# Altium PCB Distribution_amp_10Mhz.PcbDoc (part 1 of 2)
Units mm, origin at the board's own origin, x right, y up, seen from the top; angles counter-clockwise.
Board outline 100 x 82.75 mm, 2 copper layers (Top Layer, Bottom Layer), stack 1.671 mm thick; 125 components, 75 nets, 431 pads, 707 vias.
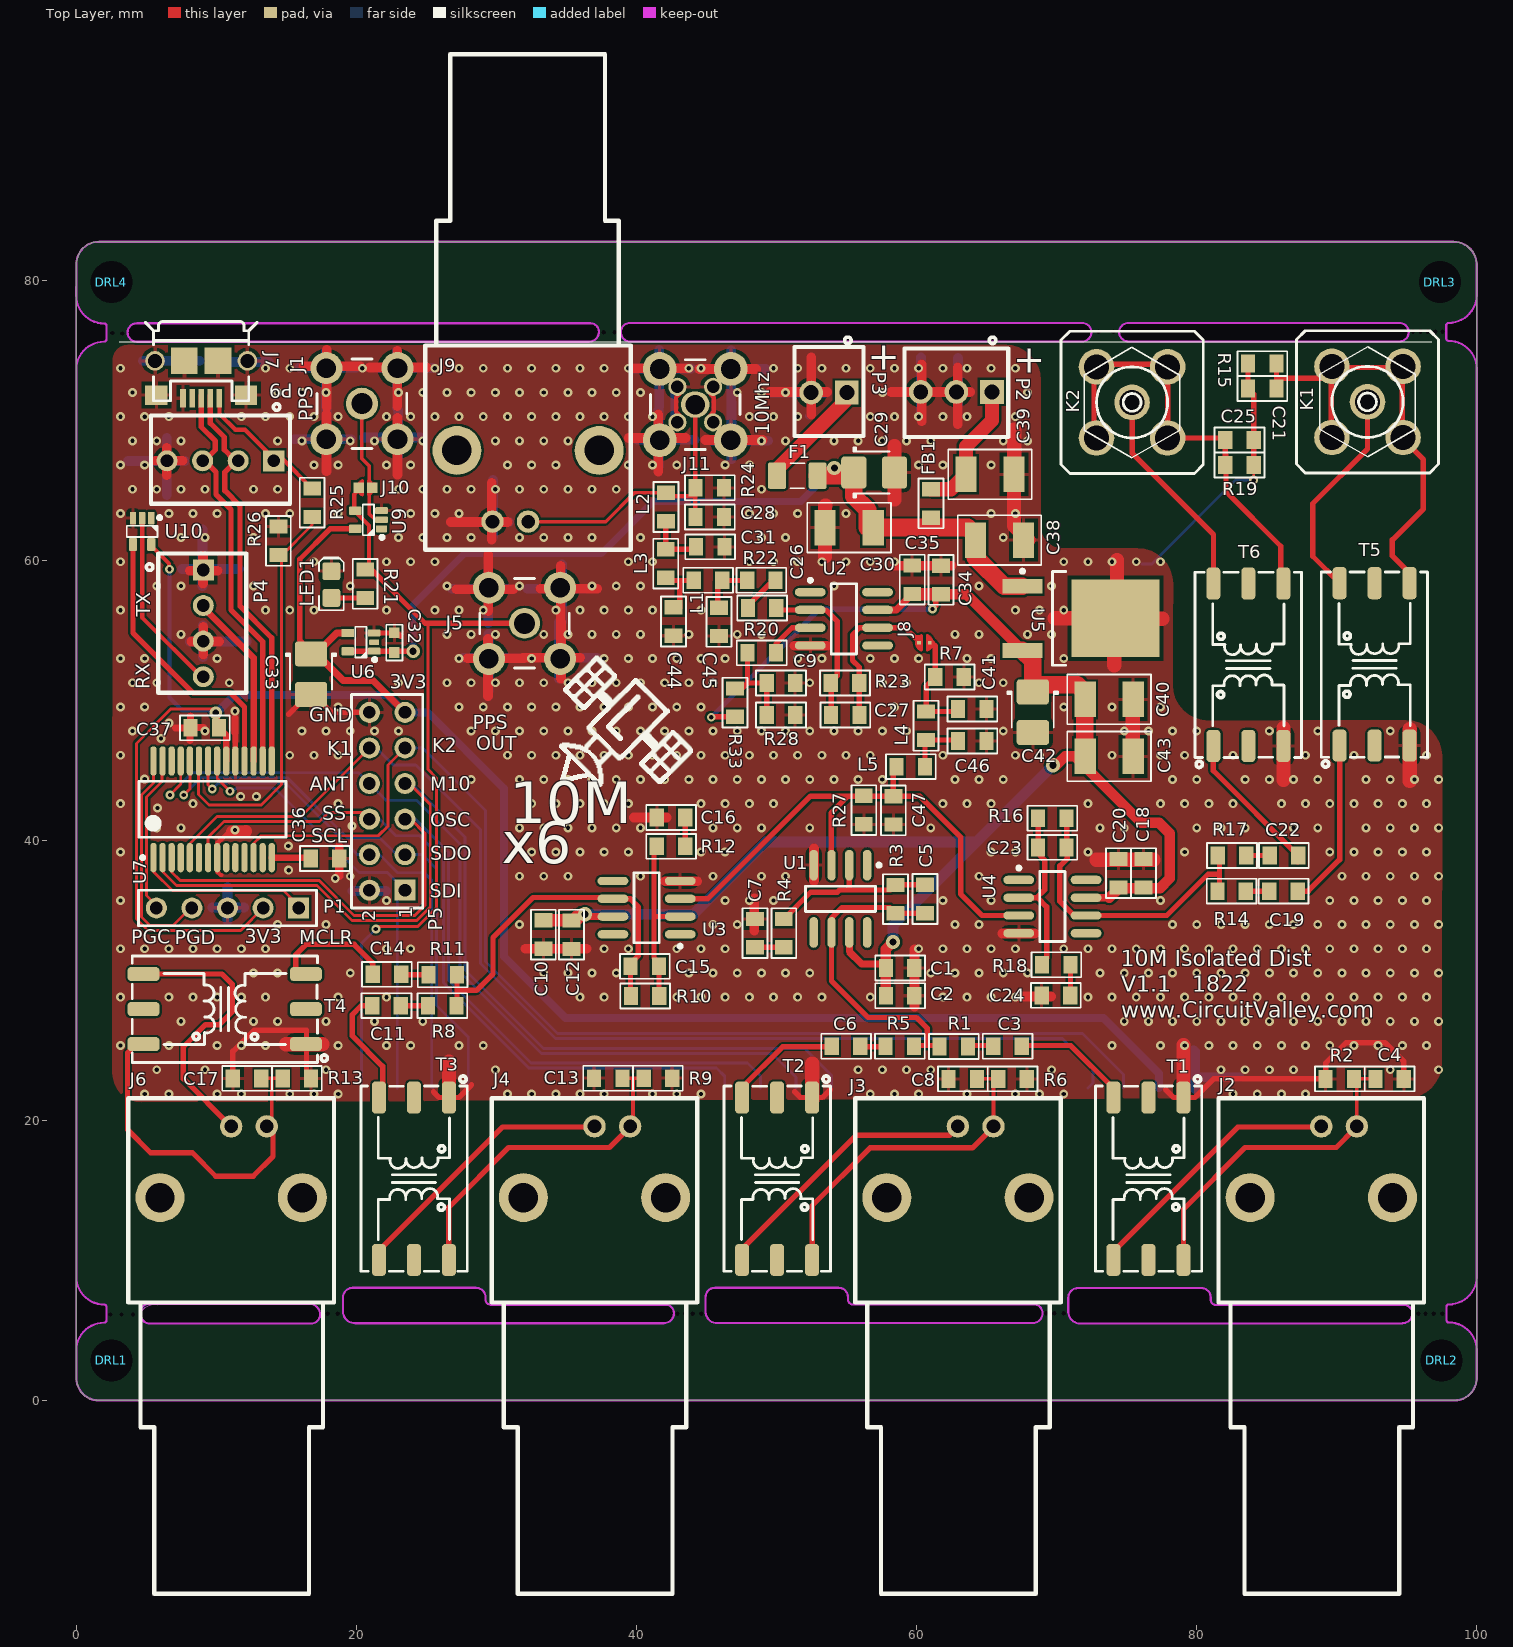
[diagram p0: Top Layer view]
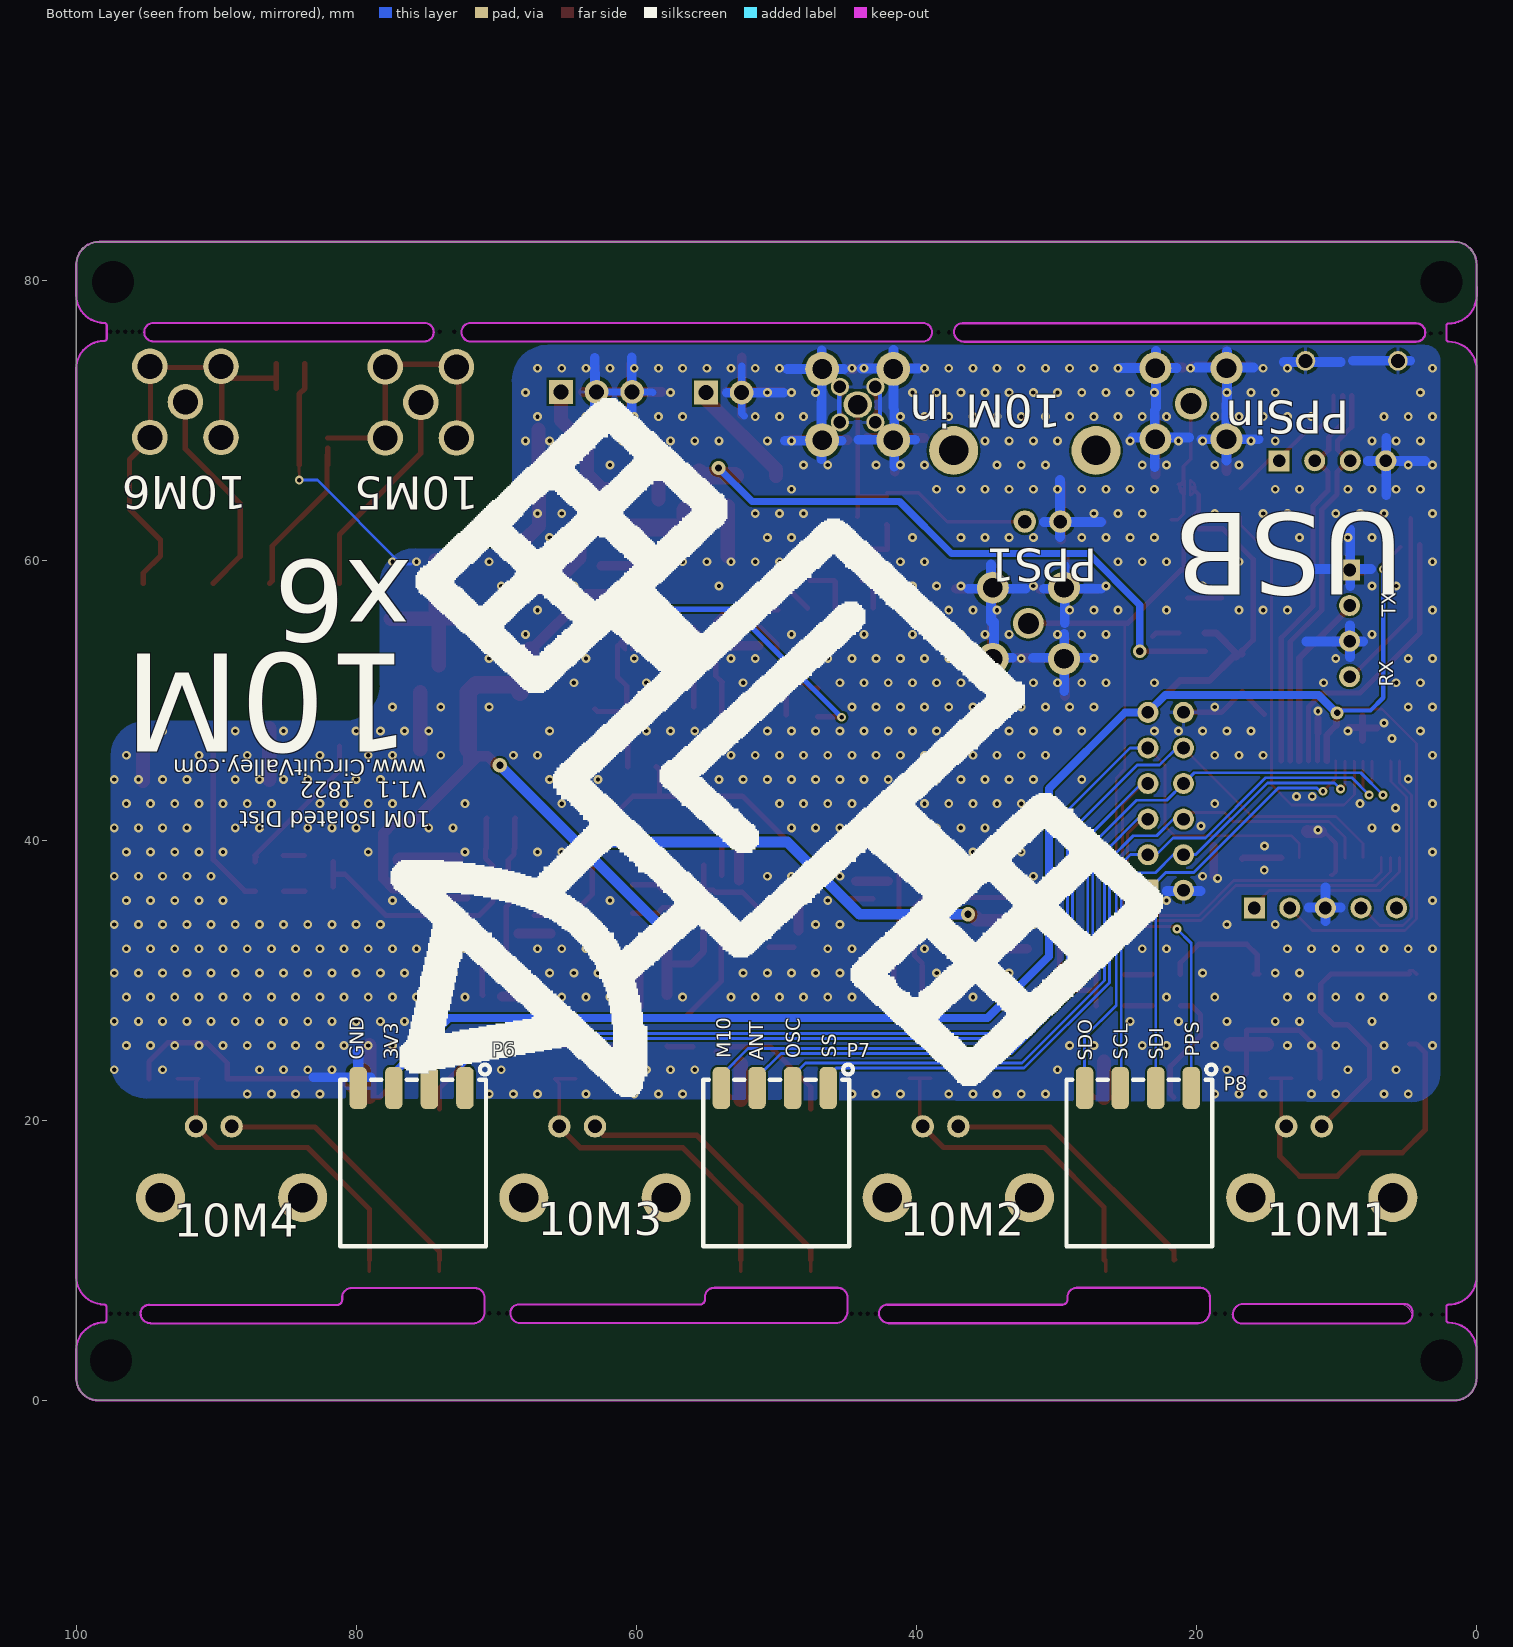
[diagram p1: Bottom Layer view, seen from below]
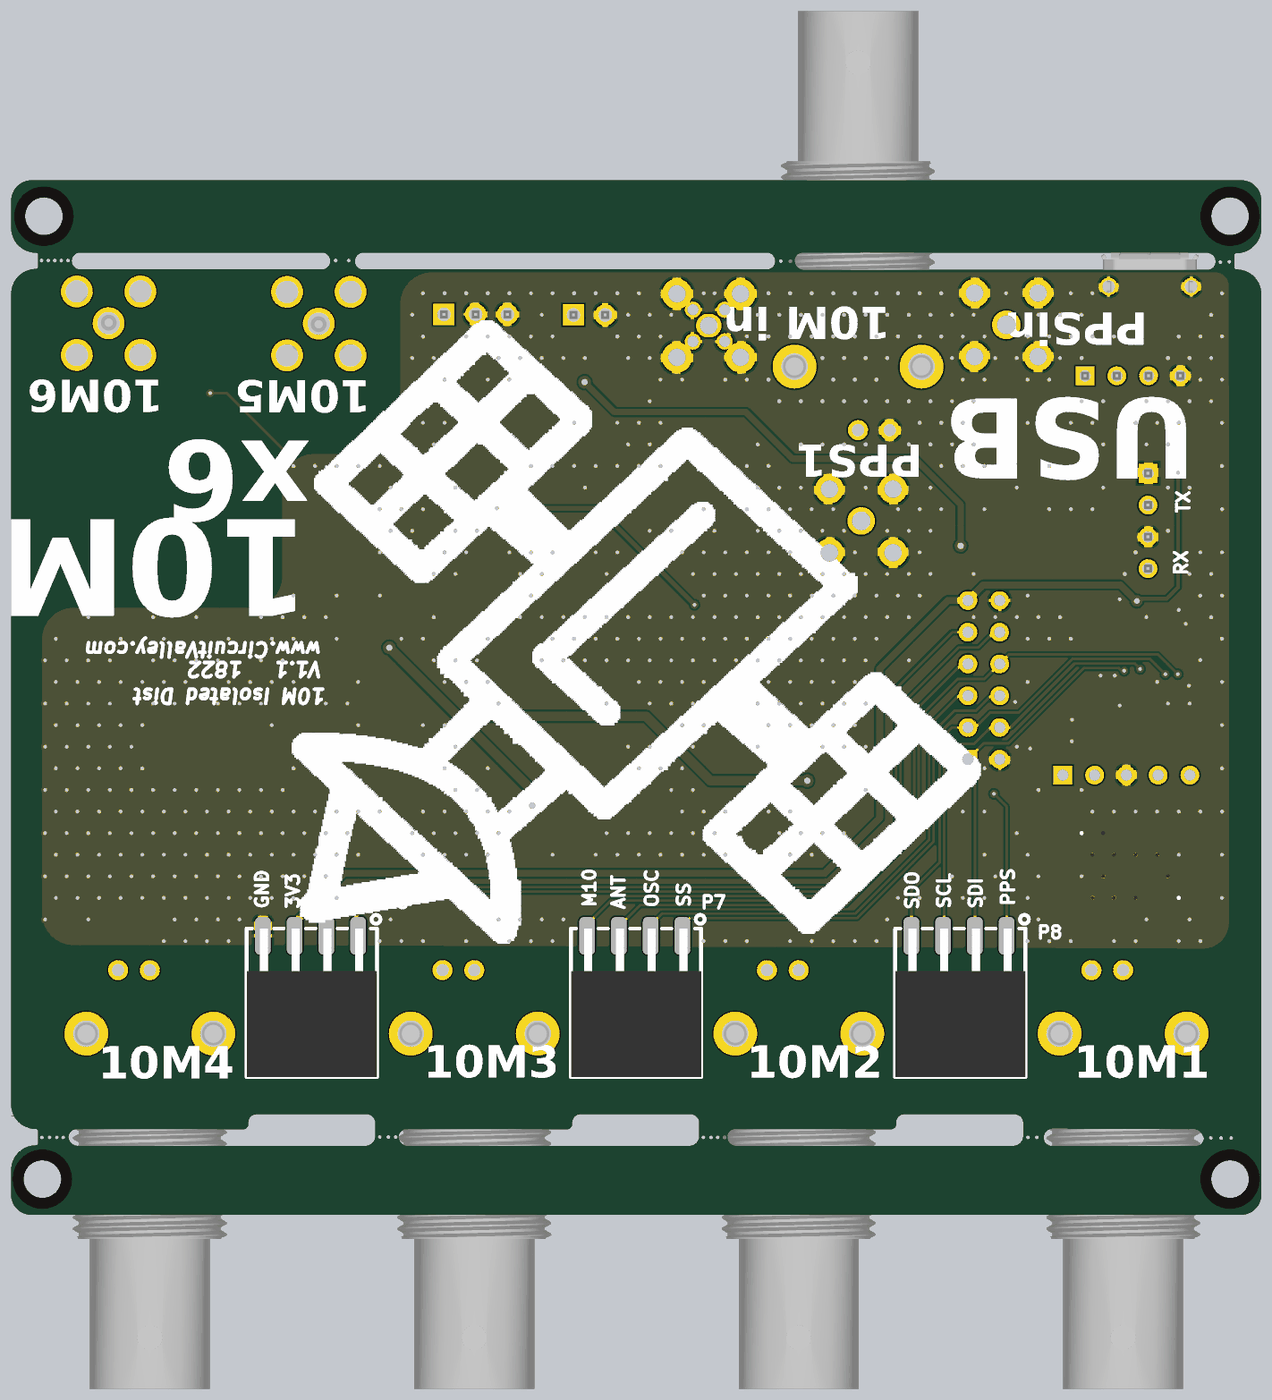
[diagram p3: 3D render of the assembled board from below, using the file's embedded part models]

## Layer stack, top to bottom
Top Solder: solder mask 0.0102, Solder Resist, Dk 3.5
Top Layer: signal copper 0.0356
Dielectric 1: dielectric 1.6, FR-4, Dk 4.8
Bottom Layer: signal copper 0.0356
Bottom Solder: solder mask 0.0102, Solder Resist, Dk 3.5

## Board outline
0,1.604 0,81.142 cw(c1.607,81.142) 1.607,82.749 98.349,82.749 cw(c98.349,81.098) 100,81.098 100,1.6 cw(c98.4,1.6) 98.4,0 1.604,0 cw(c1.604,1.604)
cut-out: 0,78.892 ccw(c1.981,78.892) 1.981,76.911 cw(c1.981,76.733) 2.159,76.733 2.159,75.794 cw(c1.981,75.794) 1.981,75.616 ccw(c1.981,73.635) 0,73.635
cut-out: 99.995,73.673 ccw(c98.014,73.673) 98.014,75.654 cw(c98.014,75.832) 97.836,75.832 97.836,76.772 cw(c98.014,76.772) 98.014,76.949 ccw(c98.014,78.93) 99.995,78.93
cut-out: 100.002,3.583 ccw(c98.02,3.583) 98.02,5.564 cw(c98.02,5.742) 97.843,5.742 97.843,6.682 cw(c98.02,6.682) 98.02,6.86 ccw(c98.02,8.841) 100.002,8.841
cut-out: -0.002,8.841 ccw(c1.979,8.841) 1.979,6.86 cw(c1.979,6.682) 2.157,6.682 2.157,5.742 cw(c1.979,5.742) 1.979,5.564 ccw(c1.979,3.583) -0.002,3.583
cut-out: 36.678,76.937 cw(c36.69,76.314) 37.313,76.327 cw(c36.576,76.327) 36.576,75.59 4.318,75.59 cw(c4.318,76.251) 3.658,76.251 cw(c4.343,76.251) 4.343,76.937
cut-out: 71.802,76.962 cw(c71.802,76.276) 72.488,76.276 cw(c71.867,76.236) 71.907,75.616 39.548,75.616 cw(c39.548,76.276) 38.887,76.276 cw(c39.573,76.276) 39.573,76.962
cut-out: 94.688,5.526 ccw(c94.688,6.237) 95.399,6.237 ccw(c94.79,6.237) 94.79,6.847 81.407,6.847 cw(c81.407,7.228) 81.026,7.228 81.026,7.38 ccw(c80.366,7.38) 80.366,8.041 71.552,8.041 ccw(c71.552,7.355) 70.866,7.355 70.866,6.314 ccw(c71.653,6.314) 71.653,5.526
cut-out: 68.286,5.526 ccw(c68.286,6.237) 68.997,6.237 ccw(c68.388,6.237) 68.388,6.847 55.499,6.847 cw(c55.499,7.228) 55.118,7.228 55.118,7.38 ccw(c54.458,7.38) 54.458,8.041 45.644,8.041 ccw(c45.644,7.355) 44.958,7.355 44.958,6.314 ccw(c45.745,6.314) 45.745,5.526
cut-out: 41.986,5.526 ccw(c41.986,6.237) 42.697,6.237 ccw(c42.088,6.237) 42.088,6.847 29.591,6.847 cw(c29.591,7.228) 29.21,7.228 29.21,7.38 ccw(c28.55,7.38) 28.55,8.041 19.736,8.041 ccw(c19.736,7.355) 19.05,7.355 19.05,6.314 ccw(c19.837,6.314) 19.837,5.526
cut-out: 4.597,6.155 cw(c5.537,5.901) 5.791,6.841 16.666,6.894 cw(c16.666,6.155) 17.405,6.155 cw(c16.77,6.155) 16.77,5.52 5.232,5.52 cw(c5.232,6.155)
cut-out: 94.463,76.968 cw(c94.463,76.282) 95.148,76.282 cw(c94.488,76.282) 94.488,75.621 75.133,75.621 cw(c75.133,76.282) 74.473,76.282 cw(c75.159,76.282) 75.159,76.968

## Design rules (kind name [scope] priority, off if disabled: settings)
Clearance [All] p1: gap=0.152
DiffPairsRouting [All] p1: maxlimit=0.254 minlimit=0.254 mostfreqgap=0.254 toplayer_minwidth=0.381 toplayer_maxwidth=0.381 toplayer_prefwidth=0.381 bottomlayer_minwidth=0.381 bottomlayer_maxwidth=0.381 bottomlayer_prefwidth=0.381 maxuncoupledlength=12.7
PolygonConnect [All] p1: connectstyle=Relief reliefconductorwidth=0.254 reliefentries=4 polygonreliefangle="90 Angle" airgapwidth=0.254
RoutingVias [All] p1: holewidth=0.305 width=0.635 viastyle="Through Hole" minholewidth=0.305 minwidth=0.635 maxholewidth=12.7 maxwidth=12.7
SilkToSolderMaskClearance [IsPad] p1: minsilkscreentomaskgap=0.025 clearancetoexposedcopper=TRUE
SolderMaskExpansion [All] p1: expansion=0.102
Width [All] p1: maxlimit=7.62 minlimit=0.152 preferedwidth=0.254
28 further rules are at their usual default settings.

## Classes and differential pairs
differential pair USB: +USB_P -USB_N

## Components (designator, comment, footprint, x,y, rotation, side; value= is the part's Value field where it differs from the comment)
C1 "2u2" 0805C-TBD 58.064,30.886 r0 top
C2 "10nf" 0805C-TBD 58.064,28.905 r0 top
C3 "100nF" 0805C-TBD 65.735,25.298 r0 top
C4 "1nF" 0805C-TBD 94.543,22.965 r180 top
C5 "47p" 0805C-TBD 60.604,36.576 r270 top
C6 "100nF" 0805C-TBD 55.728,25.298 r180 top
C7 "100nF" 0805C-TBD 48.463,32.614 r90 top
C8 "1nF" 0805C-TBD 62.539,22.965 r0 top
C9 "33p" 0805C-TBD 51.079,51.232 r180 top
C10 "2u2" 0805C-TBD 33.35,34.036 r270 top
C11 "100nF" 0805C-TBD 22.911,28.194 r180 top
C12 "10nf" 0805C-TBD 35.361,34.025 r270 top
C13 "1nF" 0805C-TBD 37.215,23.016 r0 top
C14 "100nF" 0805C-TBD 22.94,30.433 r180 top
C15 "47p" 0805C-TBD 41.355,31.003 r180 top
C16 "100nF" 0805C-TBD 43.231,41.631 r180 top
C17 "1nF" 0805C-TBD 11.43,23.001 r0 top
C18 "2u2" 0805C-TBD 76.204,36.895 r90 top
C19 "100nF" 0805C-TBD 85.446,36.373 r0 top
C20 "10nf" 0805C-TBD 74.426,36.895 r90 top
C21 "1nF" 0805C-TBD 83.926,72.267 r0 top
C22 "100nF" 0805C-TBD 85.471,38.913 r0 top
C23 "47p" 0805C-TBD 68.936,39.497 r0 top
C24 "100nF" 0805C-TBD 70.714,28.931 r180 top
C25 "1nF" 0805C-TBD 83.824,68.584 r180 top
C26 "33p" 0805C-TBD 48.158,58.572 r0 top
C27 "33p" 0805C-TBD 54.153,48.946 r0 top
C28 "" 0805C-TBD 45.999,63.094 r180 top
C29 "10µ" CAPMP3528X210N 56.972,66.269 r0 top
C30 "10uf" 1210C-GENERIC 56.896,62.332 r180 top
C31 "" 0805C-TBD 46.025,60.96 r180 top
C32 "100nF" 0603C-GENERIC 22.712,54.817 r270 top
C33 "10µ" CAPMP3528X210N 16.764,51.867 r270 top
C34 "2u2" 0805C-TBD 61.747,57.836 r90 top
C35 "10nf" 0805C-TBD 59.69,57.85 r90 top
C36 "250nF" 0805C-TBD 16.993,38.699 r0 top
C37 "100n" 0805C-TBD 8.411,48.035 r0 top
C38 "10uf" 1210C-GENERIC 64.211,61.443 r0 top
C39 "10uf" 1210C-GENERIC 63.525,66.142 r0 top
C40 "10uf" 1210C-GENERIC 72.034,50.063 r0 top
C41 "" 0805C-TBD 64.745,49.378 r180 top
C42 "10µ" CAPMP3528X210N 68.301,49.149 r270 top
C43 "10uf" 1210C-GENERIC 72.034,45.999 r0 top
C44 "" 0805C-TBD 42.647,54.864 r90 top
C45 "" 0805C-TBD 45.898,54.839 r90 top
C46 "" 0805C-TBD 64.745,47.092 r180 top
C47 "" 0805C-TBD 58.344,41.377 r90 top
DRL1 "MOUNT 2.7x6.2Mask" NO_COPPER_NOMASK_2m75_6m2#1 2.714,2.856 r0 top
DRL2 "MOUNT 2.7x6.2Mask" NO_COPPER_NOMASK_2m75_6m2#2 97.294,2.856 r0 top
DRL3 "MOUNT 2.7x6.2Mask" NO_COPPER_NOMASK_2m75_6m2#3 97.113,79.87 r0 top
DRL4 "MOUNT 2.7x6.2Mask" NO_COPPER_NOMASK_2m75_6m2#4 3.321,80.256 r0 top
F1 "0ZCG0110BF2B" RESC3216N 51.486,66.04 r180 top
FB1 "HI0805Q310R-10" 0805FB-600Z 61.036,63.297 r90 top
J1 "CONMCX001" CON-MCX 20.396,71.183 r90 top
J2 "BNC" "BNC 1-1634612-0" 88.904,14.492 r180 top
J3 "BNC" "BNC 1-1634612-0" 62.954,14.492 r180 top
J4 "BNC" "BNC 1-1634612-0" 37.003,14.492 r180 top
J5 "CONREVMCX001" CON-REVMCX#1 32.004,55.499 r0 top
J6 "BNC" "BNC 1-1634612-0" 11.053,14.492 r180 top
J7 "Micro-USB-B" 10118193-0001lfc 8.915,74.244 r180 top
J8 "BYPASS-MINI-CLOSED" BYPASS-MINI-CLOSED 59.69,54.102 r0 top
J9 "BNC" "BNC 1-1634612-0" 32.258,67.843 r0 top
J10 "" BYPASS-CLOSED 19.787,65.176 r0 top
J11 "CONREVMCX001" CON-REVMCX#2 44.196,71.12 r0 top
K1 "SMA-V" SMA-V 92.202,71.312 r0 top
K2 "SMA-V" SMA-V 75.391,71.276 r180 top
L1 "4.7uh" 0805FB-GENERIC 44.348,58.572 r0 top
L2 "4.7uh" 0805FB-GENERIC 42.113,64.567 r270 top
L3 "4.7uh" 0805FB-GENERIC 42.088,60.528 r270 top
L4 "4.7uh" 0805FB-GENERIC 60.681,48.946 r270 top
L5 "4.7uh" 0805FB-GENERIC 60.35,45.263 r180 top
LED1 "Green" LED-0805-K 18.212,58.268 r90 top
P1 "Header 5" HDR1X5 15.875,35.168 r180 top
P2 "Header 3" 22-23-2031 62.84,72.023 r180 top
P3 "Header 2" 22-23-2021 53.746,71.973 r180 top
P4 "Header 4" 22-23-2041 9.068,55.499 r270 top
P5 "Header 6X2" HDR2X6 23.47,36.438 r90 top
P6 "Header 4" M20-7910442R 76.048,22.316 r0 bottom
P7 "Header 4" M20-7910442R 50.114,22.316 r0 bottom
P8 "Header 4" M20-7910442R 24.181,22.316 r0 bottom
P9 "Header 4" 22-23-2041 10.287,67.107 r180 top
R1 "49R" 0805R-GENERIC 61.9,25.273 r0 top
R2 "1M" 0805R-GENERIC 89.463,22.965 r0 top
R3 "200R" 0805R-GENERIC 58.5,36.565 r270 top
R4 "200R" 0805R-GENERIC 50.521,32.614 r90 top
R5 "49R" 0805R-GENERIC 59.563,25.298 r180 top
R6 "1M" 0805R-GENERIC 67.619,22.965 r180 top
R7 "200R" 0805R-GENERIC 63.119,51.664 r180 top
R8 "49R" 0805R-GENERIC 26.899,28.194 r180 top
R9 "1M" 0805R-GENERIC 42.295,23.016 r180 top
R10 "200R" 0805R-GENERIC 41.377,28.88 r180 top
R11 "49R" 0805R-GENERIC 26.924,30.404 r180 top
R12 "200R" 0805R-GENERIC 43.231,39.573 r180 top
R13 "1M" 0805R-GENERIC 16.51,23.001 r180 top
R14 "49R" 0805R-GENERIC 81.737,36.373 r0 top
R15 "1M" 0805R-GENERIC 83.926,74.045 r0 top
R16 "200R" 0805R-GENERIC 68.936,41.58 r0 top
R17 "49R" 0805R-GENERIC 81.763,38.913 r0 top
R18 "200R" 0805R-GENERIC 70.739,31.115 r180 top
R19 "1M" 0805R-GENERIC 83.824,66.806 r180 top
R20 "200R" 0805R-GENERIC 49.708,53.391 r180 top
R21 "200R" 0805R-GENERIC 20.625,57.556 r90 top
R22 "200R" 0805R-GENERIC 48.209,56.591 r0 top
R23 "200R" 0805R-GENERIC 54.127,51.232 r0 top
R24 "200R" 0805R-GENERIC 45.999,65.176 r180 top
R25 "75K" 0805R-GENERIC 16.84,63.348 r90 top
R26 "100K" 0805R-GENERIC 14.427,62.154 r270 top
R27 "200R" 0805R-GENERIC 56.236,41.402 r90 top
R28 "200R" 0805R-GENERIC 51.079,48.946 r180 top
R33 "200R" 0805R-GENERIC 47.041,50.597 r270 top
T1 "SWBxxxx" SWBxxxx 76.56,15.839 r270 top
T2 "SWBxxxx" SWBxxxx 50.042,15.839 r270 top
T3 "SWBxxxx" SWBxxxx 24.105,15.839 r270 top
T4 "SWBxxxx" SWBxxxx 10.592,27.954 r180 top
T5 "SWBxxxx" SWBxxxx 92.71,52.567 r90 top
T6 "SWBxxxx" SWBxxxx 83.693,52.542 r90 top
U1 "LM7171AIM" M08A_N 54.563,35.829 r270 top
U2 "LM7171AIM" M08A_N 54.813,55.818 r0 top
U3 "LM7171AIM" M08A_N 40.72,35.194 r180 top
U4 "LM7171AIM" M08A_N 69.702,35.27 r0 top
U5 "TL750M10CKVURG3" TI-KVU3_N 71.755,55.855 r0 top
U6 "MIC5213-3.3YC5" SC70-5#1 20.324,54.156 r180 top
U7 "PIC18F25K50-I/SS" MCHP-SSOP-SS28_N 9.732,42.218 r90 top
U9 "74LVC1G17GW" SC70-5#2 20.853,62.89 r180 top
U10 "74LVC1G17GW" SC70-5#3 4.699,62.067 r270 top

## Footprints (in the part's own frame and the unit in brackets; to place one, negate y for a bottom-side part, rotate by r counter-clockwise, add the part's x,y. Pads: shape width x height; smd on the part's side, far side on the other; paste and mask are expansions set on the pad)
22-23-2021 [mm]
  rect 1.7x1.7 hole 1.07: 1(-1.27,0)
  round 1.7 hole 1.07: 2(1.27,0)
  silkscreen extent -2.46,-3.97 2.46,3.1, body extent -2.46,-3.25 2.46,3.1, height 10.68
22-23-2031 [mm]
  rect 1.7x1.7 hole 1.07: 1(-2.54,0)
  round 1.7 hole 1.07: 2(0,0) 3(2.54,0)
  silkscreen extent -3.71,-3.92 3.71,3.23, body extent -3.73,-3.25 3.73,3.1, height 10.68
22-23-2041 [mm]
  rect 1.5x1.5 hole 0.9: 1(-3.81,0)
  round 1.5 hole 0.9: 2(-1.27,0) 3(1.27,0) 4(3.81,0)
  silkscreen extent -4.98,-4.07 4.95,3.07, body extent -5,-3.25 5,3.1, height 10.68
0603C-GENERIC [mil] "CAPACITOR 0603"
  rect 30x30 smd: 1(0,0) 2(55,0)
  silkscreen extent -23,-23 78,23, body extent -4,-15 59,15, height 19
0805C-TBD [mil] "CAPACITOR 0805"
  rect 40x50 smd: 1(-10,0) 2(70,0)
  silkscreen extent -40,-35 100,35, body extent -11,-25 70,25, height 26
0805FB-600Z [mil] "FERRITE BEAD 0805"
  rect 40x50 smd: 1(-10,0) 2(70,0)
  silkscreen extent -40,-35 100,35, body extent -11,-25 70,25, height 26
0805FB-GENERIC [mil] "FERRITE BEAD 0805"
  rect 40x50 smd: 1(-10,0) 2(70,0)
  silkscreen extent -40,-35 100,35, body extent -11,-25 70,25, height 26
0805R-GENERIC [mil] "RESISTOR 0805"
  rect 40x50 smd: 1(-10,0) 2(70,0)
  silkscreen extent -40,-35 100,35, body extent -11,-25 70,25, height 27
1210C-GENERIC [mil]
  rect 60x100 smd: 1(0,0) 2(135,0)
  silkscreen extent -50,-70 185,70, body extent -10,-50 145,50, height 46
10118193-0001lfc [mm]
  rect 0.4x1.35 smd: 1(-1.3,2.675) 2(-0.65,2.675) 3(0,2.675) 4(0.65,2.675) 5(1.3,2.675)
  round 1.4 hole 1: 6(-3.3,0) 9(3.3,0)
  rect 1.6x1.4 smd: 6(-3.2,2.45) 9(3.2,2.45)
  rect 1.9x1.9 smd: 7(-1.2,0) 8(1.2,0)
  silkscreen extent -4,-2.8 4,2.85, body extent -3.93,-2.76 3.93,2.9, height 2.81
"BNC 1-1634612-0" [mm] "1-1634612-0"
  round 3.5 hole 2.1: 0(-5.08,0) 0(5.08,0)
  round 1.6 hole 0.97: 1(0,-5.08) 2(-2.54,-5.08)
  silkscreen extent -7.34,-7.09 7.34,28.3, body extent -7.35,-7.09 7.35,28.41, height 15.8
BYPASS-CLOSED [mil] "SOLDERDOT BYPASS CLOSED"
  rect 30x30 smd: 1(15,0) 2(53,0)
  Top Layer lines w8: 12.18,-2.82 cw(c34,0) 25.83,20.43 25.83,-20.43 cw(c34,0) 12.18,-2.82 ; 42.17,-20.43 ccw(c34,0) 44,-19.6 ccw(c34,0) 53.88,9.42 ccw(c34,0) 42.17,20.43 42.17,0 42.17,-20.43
  body extent 5,-20 65,20, height 25
BYPASS-MINI-CLOSED [mil] "SOLDERDOT BYPASS"
  rect 10x10 smd paste-300: 1(19,0)
  rect 10x10 smd paste-30: 2(49,0)
  Top Layer region: 43,18 45,18 55,8 55,-9 46,-18 43,-18
  Top Layer region: 25,18 23,18 13,8 13,-9 22,-18 25,-18
  Top Layer lines w8: 12,0 cw(c34,0) 12.87,6.13 cw(c34,0) 18.36,15.47 cw(c34,0) 25.83,20.43 25.83,8 25.83,0 25.83,-20.43 cw(c34,0) 12,0 ; 42.17,-20.43 ccw(c34,0) 49,-16.09 ccw(c34,0) 55.13,-6.13 ccw(c34,0) 56,0 ccw(c34,0) 55.34,5.34 ccw(c34,0) 42.17,20.43 42.17,0 42.17,-6.83 42.17,-20.43
  body extent 15,-20 55,20, height 25
CAPMP3528X210N [mm] "Molded body capacitor, Body 3.5x2.8mm, 1210, IPC Nominal settings"
  round 0.254 on Mech14: 0(0,0)
  rrect25% 1.8x2.3 smd: 1(-1.45,0) 2(1.45,0)
  Top Layer pour cut-out: -0.508,1.27 0.508,1.27 0.508,-1.27 -0.508,-1.27
  silkscreen extent -1.5,-1.8 1.1,1.8, body extent -1.75,-1.4 1.75,1.4, height 2.1
CON-MCX [mil] "Connector, MCX Female, 5-Lead, Thru-Hole, Straight, Body 6x6mm"
  round 90 hole 59.06: 1(0,0)
  round 90 hole 55.12: 2(-100,100) 3(100,100) 4(100,-100) 5(-100,-100)
  silkscreen extent -126,-126 126,126, body extent -126,-126 126,126, height 252
CON-REVMCX#1 [mil] "Connector, RP-MCX Female, 5-Lead, Thru-Hole, Straight, Body 6x6mm"
  round 86.61 hole 59.06: 1(0,0)
  round 90 hole 55.12: 2(-100,100) 3(100,100) 4(100,-100) 5(-100,-100)
  silkscreen extent -126,-126 126,126, body extent -126,-126 126,126, height 252
CON-REVMCX#2 [mil] "Connector, RP-MCX Female, 5-Lead, Thru-Hole, Straight, Body 6x6mm"
  oval 80x74 hole 55.12: 1(0,0)
  round 95 hole 55.12: 2(-100,100) 3(100,100) 4(100,-100) 5(-100,-100)
  silkscreen extent -126,-126 126,126, body extent -126,-126 126,126, height 252
HDR1X5 [mm] "Connector; Header; 5 Position"
  rect 1.5x1.5 hole 0.9: 1(0,0)
  round 1.5 hole 0.9: 2(2.54,0) 3(5.08,0) 4(7.62,0) 5(10.16,0)
  silkscreen extent -1.27,-1.27 11.43,1.27
HDR2X6 [mm] "Connector; Header; 6x2 Position"
  rect 1.5x1.5 hole 0.9: 1(0,0)
  round 1.5 hole 0.9: 2(0,2.54) 3(2.54,0) 4(2.54,2.54) 5(5.08,0) 6(5.08,2.54) 7(7.62,0) 8(7.62,2.54) 9(10.16,0) 10(10.16,2.54) 11(12.7,0) 12(12.7,2.54)
  silkscreen extent -1.27,-1.27 13.97,3.81
LED-0805-K [mil]
  round 20 on Mech14: 0(0,0)
  rrect25% 50x50 smd: A(-37.5,0) K(37.5,0)
  Top Layer pour cut-out: -15,30 15,30 15,-30 -15,-30
  silkscreen extent -72,-35 77,35, body extent -39,-25 39,25, height 31
M08A_N [mm] "SOIC, 8-Leads, Body 4.9x3.9mm, Pitch 1.27mm, IPC Medium Density"
  oval 2.2x0.6 smd: 1(-2.4,1.905) 2(-2.4,0.635) 3(-2.4,-0.635) 4(-2.4,-1.905) 5(2.4,-1.905) 6(2.4,-0.635) 7(2.4,0.635) 8(2.4,1.905)
  silkscreen extent -2.52,-2.5 0.9,2.88, body extent -2,-2.5 2,2.5, height 1.75
M20-7910442R [mm] "marvin M20-7911042R 4pin"
  rrect60% 1.25x3 smd: 1(-3.81,0) 2(-1.27,0) 3(1.27,0) 4(3.81,0)
  silkscreen extent -5.58,-1.67 5.11,11.3, body extent -5.31,-0.59 5.1,11.31, height 2.51
MCHP-SSOP-SS28_N [mm] "SOP, 28-Leads, Body 10.2x5.3mm, Pitch 0.65mm, IPC Medium Density"
  oval 2.1x0.45 smd: 1(-3.45,4.225) 2(-3.45,3.575) 3(-3.45,2.925) 4(-3.45,2.275) 5(-3.45,1.625) 6(-3.45,0.975) 7(-3.45,0.325) 8(-3.45,-0.325) 9(-3.45,-0.975) 10(-3.45,-1.625) 11(-3.45,-2.275) 12(-3.45,-2.925) 13(-3.45,-3.575) 14(-3.45,-4.225) 15(3.45,-4.225) 16(3.45,-3.575) 17(3.45,-2.925) 18(3.45,-2.275) 19(3.45,-1.625) 20(3.45,-0.975) 21(3.45,-0.325) 22(3.45,0.325) 23(3.45,0.975) 24(3.45,1.625) 25(3.45,2.275) 26(3.45,2.925) 27(3.45,3.575) 28(3.45,4.225)
  silkscreen extent -3.57,-5.25 2,5.25, body extent -2.8,-5.25 2.8,5.25, height 2
NO_COPPER_NOMASK_2m75_6m2#1 [mm]
  round 5 on Keep-Out: 0(-0.214,0)
  round 2.75 hole 3 unplated mask+1: D2m7(-0.214,0)
NO_COPPER_NOMASK_2m75_6m2#2 [mm]
  round 5 on Keep-Out: 0(0.206,0)
  round 2.75 hole 3 unplated mask+1: D2m7(0.206,0)
NO_COPPER_NOMASK_2m75_6m2#3 [mm]
  round 5 on Keep-Out: 0(0.262,0)
  round 2.75 hole 3 unplated mask+1: D2m7(0.262,0)
NO_COPPER_NOMASK_2m75_6m2#4 [mm]
  round 5 on Keep-Out: 0(-0.821,-0.386)
  round 2.75 hole 3 unplated mask+1: D2m7(-0.821,-0.386)
RESC3216N [mm] "Chip Resistor, Body 3.2x1.6mm, 1206, IPC Medium Density"
  round 0.508 on Mech14: 0(0,0)
  rrect25% 1.3x1.9 smd: 1(-1.45,0) 2(1.45,0)
  silkscreen extent -0.51,-0.89 0.51,0.89, body extent -1.62,-0.82 1.63,0.83, height 0.69
SC70-5#1 [mm]
  round 0.254 on Mech14: 0(0,0)
  rrect25% 0.9x0.5 smd: 1(-0.94,0.65) 3(-0.94,-0.65)
  rrect25% 0.7x0.4 smd: 2(-0.94,0)
  rrect25% 0.9x0.6 smd: 4(0.94,-0.65) 5(0.94,0.65)
  silkscreen extent -1.1,-1.1 0.4,1.38, body extent -1.06,-1 1.04,1, height 0.95
SC70-5#2 [mm]
  round 0.254 on Mech14: 0(0,0)
  rrect25% 0.8x0.5 smd: 1(-0.94,0.65)
  rrect25% 0.9x0.45 smd: 2(-0.94,0)
  rrect25% 0.9x0.5 smd: 3(-0.94,-0.65)
  rrect25% 0.9x0.6 smd: 4(0.94,-0.65) 5(0.94,0.65)
  silkscreen extent -1.1,-1.1 0.4,1.38, body extent -1.06,-1 1.04,1, height 0.95
SC70-5#3 [mm]
  round 0.254 on Mech14: 0(0,0)
  rrect25% 0.9x0.45 smd: 1(-0.94,0.65) 2(-0.94,0) 3(-0.94,-0.65)
  rrect25% 0.9x0.6 smd: 4(0.94,-0.65) 5(0.94,0.65)
  silkscreen extent -1.1,-1.1 0.4,1.38, body extent -1.06,-1 1.04,1, height 0.95
SMA-V [mil]
  round 100 hole 70: 1(0,0) 2(100,-100) 3(100,100) 4(-100,100) 5(-100,-100)
  silkscreen extent -200,-200 200,200, body extent -138,-136 137,140, height 386
SWBxxxx [mm] "SWB1010-1-SMLD Coilcraft"
  rrect55% 2.3x1 smd: 1(-5.8,2.5) 2(-5.8,0) 3(-5.8,-2.5) 4(5.8,-2.5) 5(5.8,0) 6(5.8,2.5)
  silkscreen extent -7.34,-3.78 6.6,3.81, body extent -6.61,-3.81 6.6,3.81, height 5.76
TI-KVU3_N [mm] "DPAK, 3-Leads, Body 6.6x6.1mm, Pitch 2.29mm, IPC Medium Density"
  rect 2.85x1.05 smd: 1(-4.2,2.29) 3(-4.2,-2.29)
  rect 6.3x5.55 smd: 4(2.45,0)
  silkscreen extent -4.32,-3.35 -1.1,3.49, body extent -2.05,-3.35 4.17,3.35, height 2.39

## Part data
C1 C2 C10 C12 C18 C20 C34 C35 C37: library part 0805C-TBD, "CAPACITOR 0805 CERAMIC VALUE TO BE DETERMINED"
C3 C4 C5 C6 C7 C8 C9 C11 C13 C14 C15 C16 C17 C19 C21 C22 C23 C24 C25 C26 C27 C28 C31 C36 C41 C44 C45 C46 C47: library part 0805C-100nF-25V-X7R-MUR, "CAPACITOR 0805 CERAMIC"
C29 C33 C42: library part CAPT_47u_1210_6V3, "Capacitor SMD Tantalum 47uF 20% 6.3V 1210"
C30 C38 C39 C40 C43: library part 1210C-2u2-35V, "GENERIC CAPACITOR NON POLARISED 1210"
C32: library part 0603C-100NF-25V-X7R-TDK, "CAPACITOR 0603 CERAMIC"
DRL1 DRL2 DRL3 DRL4: library part DRILL_2.7x6.2Mask_NOCOPPER
F1: library part FUSE-GENERIC, "GENERIC FUSE"
FB1: library part 0805FB-600Z, "FERRITE BEAD 600 OHM 2A"
J1: "MCX Female PCB Mount Connector, Thru-Hole"
J2 J3 J4 J6 J9: library part "BNC Connector"
J5 J11: "RP-MCX Female PCB Mount Connector"
J8: "SOLDERDOT BYPASS"
J10: library part BYPASS-CLOSED, "SOLDERDOT BYPASS"
K1 K2: "SMA THREADED RF CONNECTOR VERTICAL"
L1 L2 L3 L4 L5: library part 0805FB-GENERIC, "FERRITE BEAD SMD"
LED1: library part LED_SMD_Green_0805, "LED, 0805 SMD, Green"
P1: "Header, 5-Pin"
P2: "Header, 3-Pin"
P3: "Header, 2-Pin"
P4 P6 P7 P8 P9: "Header, 4-Pin"
P5: "Header, 6-Pin, Dual row"
R1 R2 R3 R4 R5 R6 R7 R8 R9 R10 R11 R12 R13 R14 R15 R16 R17 R18 R19 R20 R21 R22 R23 R24 R25 R26 R27 R28 R33: library part 0805R-0R, "RESISTOR 0805 1 WATT"
T1 T2 T3 T4 T5 T6: library part "Transformer SWBxxxx"
U1 U2 U3 U4: "Very High Speed, High Output Current, Voltage Feedback Amplifier, 8-pin Narrow SOIC"
U5: "Single Output LDO, 750 mA, Fixed 10 V Output, 11 to 26 V Input, with Low IQ, 3-pin PFM (KVU), 0 to 125 degC, Green (RoHS & no Sb/Br)"
U6: library part MIC5213
U7: "Low-Power, High-Performance Microcontroller with XLP Technology, 48 MHz, 24 I/O, -40 to 85 degC, 28-pin SSOP (SS28), Tube"
U9 U10: library part 74LVC1G17GW-Q100

## Free pads (board coordinates)
  round 0 hole 0.305 unplated: 0(18.669,6.198) 1(17.958,6.198) 2(2.413,6.147) 3(3.226,6.147) 4(4.039,6.147) 5(42.926,6.198) 6(43.485,6.198) 7(44.018,6.198) 8(44.628,6.198) 9(69.24,6.223) 10(69.825,6.223) 11(70.51,6.223) 12(95.834,6.198) 13(96.342,6.198) 14(96.926,6.198) 15(97.536,6.198) 16(97.561,76.327) 17(97.034,76.327) 18(96.507,76.327) 19(95.98,76.327) 20(95.453,76.327) 21(74.041,76.327) 22(73,76.327) 23(37.668,76.276) 24(38.43,76.276) 25(2.565,76.225) 26(3.277,76.2)
  round 1.295 hole 0.889: 0(42.926,72.39) 1(45.466,72.39) 2(45.466,69.85) 3(42.926,69.85)

## Via types
v1: diameter 0.635, hole 0.305, Top Layer to Bottom Layer, tented both sides, 701 vias
v2: diameter 1.016, hole 0.508, Top Layer to Bottom Layer, tented both sides, 4 vias
v3: diameter 0.914, hole 0.457, Top Layer to Bottom Layer, tented both sides, 1 vias
v4: diameter 0.965, hole 0.508, Top Layer to Bottom Layer, tented both sides, 1 vias

## Nets (pads, with @x,y where several pads share a name; then routed paths per layer and width w, separated by ;. In a path a pad name is that pad's centre, name@x,y a point inside that pad or via, vN(x,y) a via of type N, cw(c..) or ccw(c..) an arc to the next point about the centre after c; other vN are vias at no path point)
3V3: C33.1 C37.2 P1.2 P5.11 P6.3 U6.4 U7.20 U9.5 U10.5 | length 158.8
  Top Layer w0.203: v3@10.008,49.189 9.819,49.378 6.742,49.378 4.293,46.928 4.293,34.386 5.111,33.568 11.735,33.568 P1.2@13.335,35.168
  Top Layer w0.305: U10.5@5.443,60.941 6.623,59.762 6.623,59.399 v1(6.659,59.363) ; C37.2@10.008,48.217 C37.2@10.189,48.035
  Top Layer w0.381: C33.1@16.739,53.509 15.951,54.296 15.951,60.071 18.121,62.24 U9.5@19.837,62.24
  Top Layer w0.457: C37.2@10.189,48.035 10.707,47.517 U7.20@10.707,45.668
  Top Layer w0.508: C37.2@10.008,48.217 v3@10.008,49.189 ; C33.1@16.739,53.509 C33.1@16.931,53.317 ; C33.1@16.764,53.317 C33.1@16.931,53.317 ; U6.4@19.384,54.806 18.593,54.806 17.103,53.317 C33.1@16.931,53.317 ; P5.11@23.47,49.138 21.184,51.424 19.061,51.424 17.37,53.115 17.132,53.115 C33.1@16.931,53.317
  Bottom Layer w0.305: v1(6.659,59.363) 6.659,50.186 7.569,49.276 9.779,49.276 v3(9.957,49.098)
  Bottom Layer w0.559: v3(9.957,49.098) 10.008,49.098 11.292,50.383 22.225,50.383 P5.11@23.47,49.138 25.095,49.138 30.531,43.702 30.531,31.714 34.925,27.319 73.355,27.319 77.318,23.357 P6.3@77.318,22.316
10MHZ: C28.2 J9.1 J11.1 L2.1 R24.2 | length 20.8
  Top Layer w0.254: J9.1@32.258,62.763 37.795,62.763 39.853,64.821 L2.1@42.113,64.821
  Top Layer w0.305: L2.1@42.113,64.567 R24.2@44.196,64.567 ; J11.1@44.196,71.12 R24.2@44.196,64.567 ; C28.2@44.221,63.094 44.196,63.119 R24.2@44.196,64.567
15V: C29.1 C30.1 C32.2 C38.1 F1.1 FB1.1 U5.1 U6.1 U6.5 | length 62.8
  Top Layer w0.381: U6.5@19.384,53.506 U6.1@21.264,53.506
  Top Layer w0.406: U6.1@21.264,53.506 v4(24.054,53.507)
  Top Layer w1.27: F1.1@52.936,66.04 55.294,66.04 C29.1@55.522,66.269 55.522,64.569 56.49,63.602 56.49,62.332 63.652,62.332 64.211,61.773 C38.1@64.211,61.443 64.211,60.198 66.265,58.145 U5.1@67.555,58.145
  Bottom Layer w0.508: v4(24.054,53.507) 24.054,56.809 27.722,60.477 37.49,60.477 41.224,64.211 51.74,64.211 v2(54.127,66.599)
ANT: P5.8 P7.3 U7.25 | length 63.2
  Top Layer w0.203: v1(6.68,43.245) 7.457,44.022 U7.25@7.457,45.668
  Bottom Layer w0.203: v1(6.68,43.245) 8.266,44.831 20.157,44.831 P5.8@20.93,44.058 22.123,42.864 24.282,42.864 27.407,39.74 27.407,30.596 33.223,24.779 49.682,24.779 51.384,23.078 P7.3@51.384,22.316
BUFFERED: C47.2 L5.2 R27.2 U1.3 U3.3 U4.3 | length 41.3
  Top Layer w0.381: U3.3@43.12,35.829 45.1,35.829 52.426,43.155 55.118,43.155 ; U1.3@53.903,37.492 53.903,41.939 55.118,43.155 ; R27.2@56.236,43.18 56.21,43.155 55.118,43.155 ; R27.2@56.402,43.155 C47.2@58.344,43.155 ; L5.2@58.572,45.263 58.344,45.034 C47.2@58.344,43.155 ; U4.3@67.302,34.635 64.679,34.635 63.144,36.17 63.144,40.234 60.223,43.155 C47.2@58.344,43.155